# Altium PCB MB1166.PcbDoc (part 11 of 39) (continued)
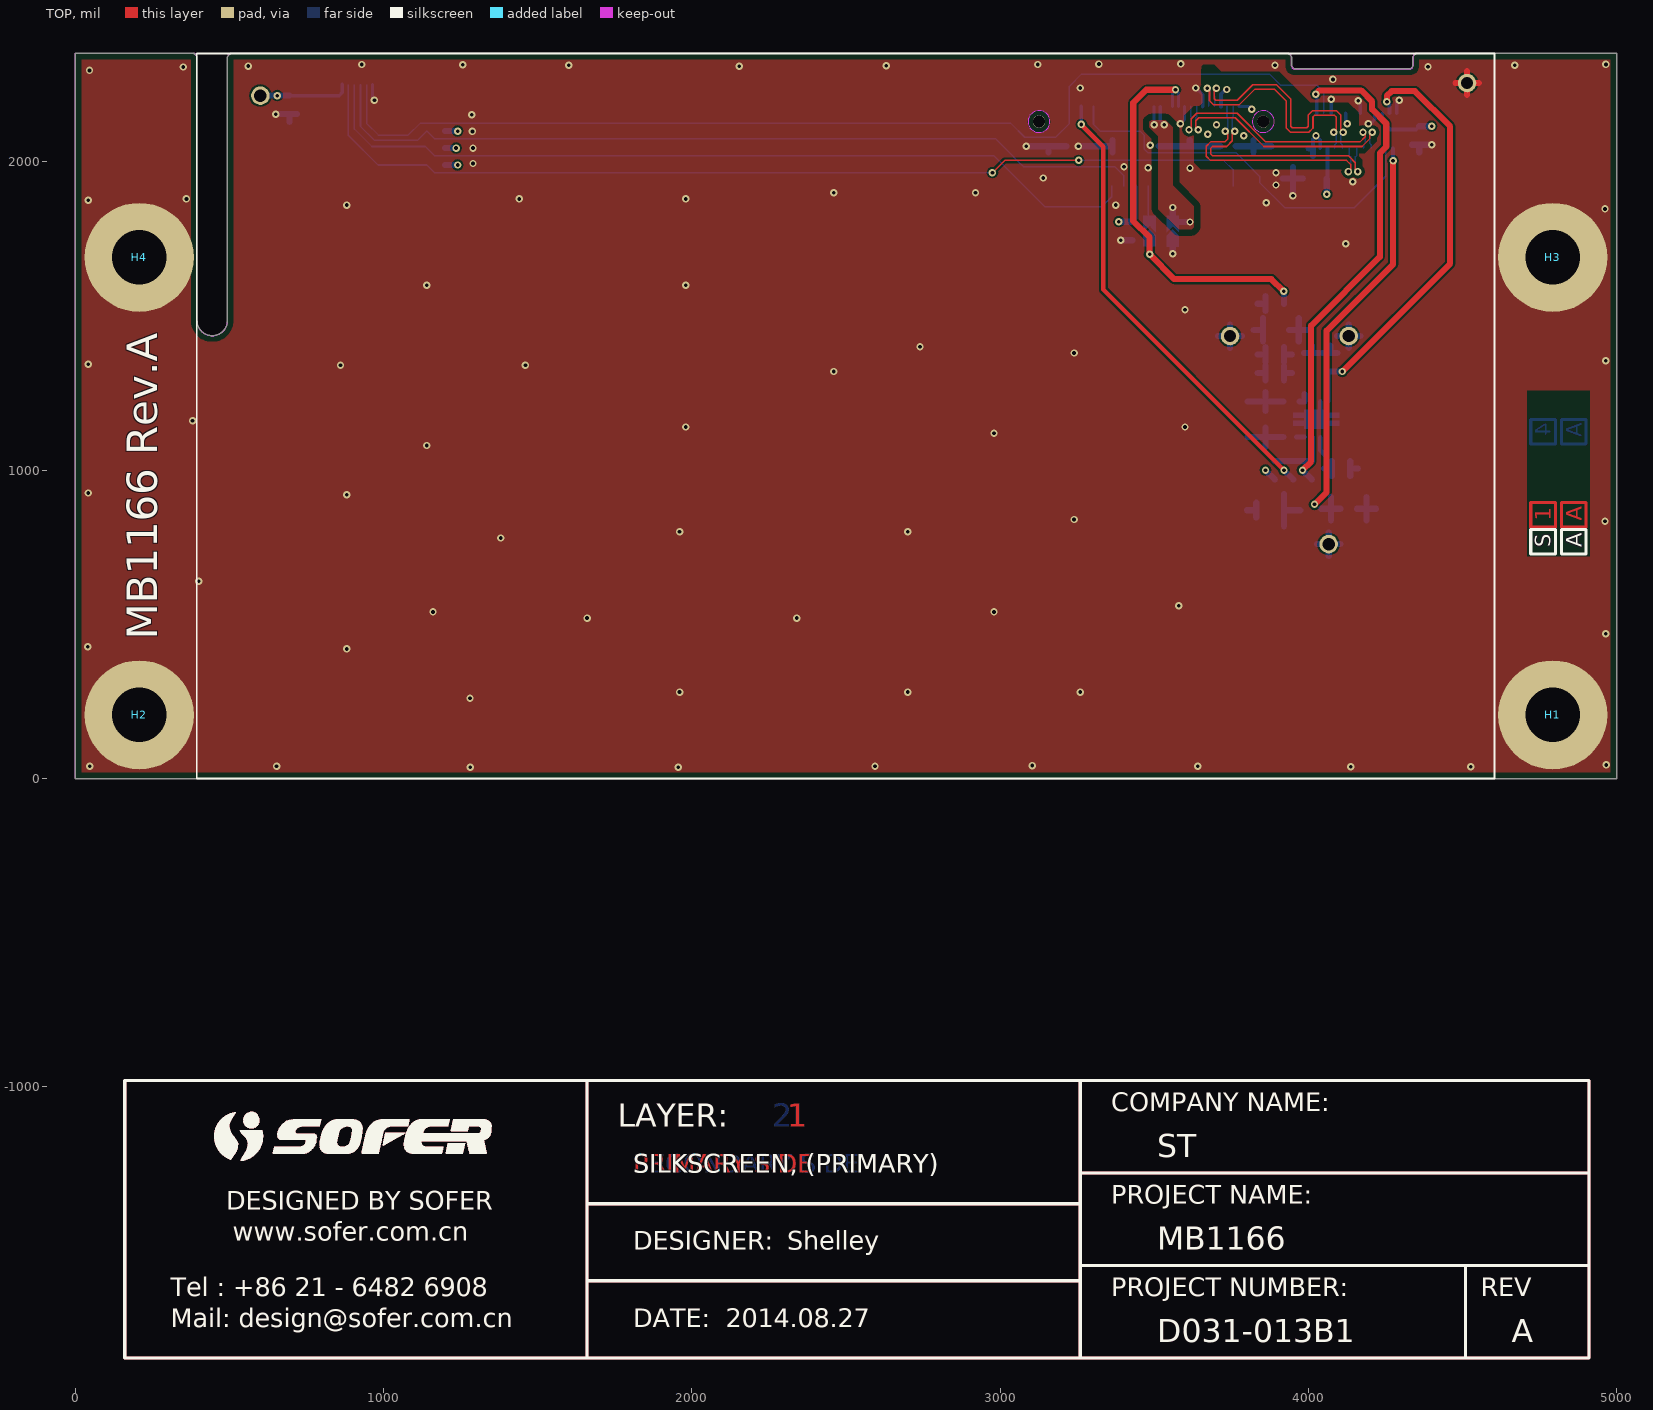
[diagram p0: TOP view]
## Nets (pads, with @x,y where several pads share a name; then routed paths per layer and width w, separated by ;. In a path a pad name is that pad's centre, name@x,y a point inside that pad or via, vN(x,y) a via of type N, cw(c..) or ccw(c..) an arc to the next point about the centre after c; other vN are vias at no path point) (continued)
 1116.35,-1107.01 1116.45,-1106.98 ; 1116.45,-1106.98 1116.65,-1106.94 ; 1116.45,-1106.98 1116.65,-1106.94 ; 1116.65,-1106.94 1116.74,-1106.92 ; 1116.65,-1106.94 1116.74,-1106.92 ; 1116.74,-1106.92 1116.84,-1106.89 ; 1116.74,-1106.92 1116.84,-1106.89 ; 1116.84,-1106.89 1117.04,-1106.85 ; 1116.84,-1106.89 1117.04,-1106.85 ; 1117.04,-1106.85 1117.13,-1106.83 ; 1117.04,-1106.85 1117.13,-1106.83 ; 1117.13,-1106.83 1117.23,-1106.8 ; 1117.13,-1106.83 1117.23,-1106.8 ; 1117.23,-1106.8 1117.43,-1106.76 ; 1117.23,-1106.8 1117.43,-1106.76 ; 1117.43,-1106.76 1117.52,-1106.74 ; 1117.43,-1106.76 1117.52,-1106.74 ; 1117.52,-1106.74 1213.66,-1106.74 ; 1117.52,-1106.74 1213.66,-1106.74 ; 1120.97,-1182.52 1120.97,-1182.42 ; 1120.97,-1182.52 1120.99,-1182.72 ; 1120.97,-1182.52 1120.97,-1182.42 ; 1120.97,-1182.52 1120.99,-1182.72 ; 1120.97,-1182.42 1120.96,-1182.32 ; 1120.97,-1182.42 1120.96,-1182.32 ; 1120.96,-1182.32 1120.96,-1182.22 ; 1120.96,-1182.32 1120.96,-1182.22 ; 1120.96,-1182.22 1120.95,-1182.12 ; 1120.96,-1182.22 1120.95,-1182.12 ; 1120.95,-1182.12 1120.95,-1181.82 ; 1120.95,-1182.12 1120.95,-1181.82 ; 1120.95,-1181.82 1120.94,-1181.72 ; 1120.95,-1181.82 1120.94,-1181.72 ; 1120.94,-1181.72 1120.94,-1181.22 ; 1120.94,-1181.72 1120.94,-1181.22 ; 1120.94,-1181.22 1120.95,-1181.12 ; 1120.94,-1181.22 1120.95,-1181.12 ; 1120.95,-1181.12 1120.95,-1180.82 ; 1120.95,-1181.12 1120.95,-1180.82 ; 1120.95,-1180.82 1120.96,-1180.72 ; 1120.95,-1180.82 1120.96,-1180.72 ; 1120.96,-1180.72 1120.96,-1180.62 ; 1120.96,-1180.72 1120.96,-1180.62 ; 1120.96,-1180.62 1120.97,-1180.52 ; 1120.96,-1180.62 1120.97,-1180.52 ; 1120.97,-1180.52 1120.97,-1180.42 ; 1120.97,-1180.52 1120.97,-1180.42 ; 1120.97,-1180.42 1120.98,-1180.32 ; 1120.97,-1180.42 1120.98,-1180.32 ; 1120.99,-1182.82 1120.99,-1182.72 ; 1120.99,-1182.82 1121.03,-1183.22 ; 1120.99,-1182.82 1120.99,-1182.72 ; 1120.99,-1182.82 1121.03,-1183.22 ; 1120.98,-1180.32 1120.98,-1180.22 ; 1120.98,-1180.32 1120.98,-1180.22 ; 1120.98,-1180.22 1121.09,-1179.12 ; 1120.98,-1180.22 1121.09,-1179.12 ; 1121.04,-1183.31 1121.03,-1183.22 ; 1121.04,-1183.31 1121.08,-1183.71 ; 1121.04,-1183.31 1121.03,-1183.22 ; 1121.04,-1183.31 1121.08,-1183.71 ; 1121.12,-1184.01 1121.1,-1183.81 ; 1121.12,-1184.01 1121.14,-1184.11 ; 1121.12,-1184.01 1121.1,-1183.81 ; 1121.12,-1184.01 1121.14,-1184.11 ; 1121.1,-1183.81 1121.08,-1183.71 ; 1121.1,-1183.81 1121.08,-1183.71 ; 1121.1,-1179.08 1085.97,-1214.21 1121.1,-1179.08 ; 1121.09,-1179.12 1121.1,-1179.03 ; 1121.09,-1179.12 1121.1,-1179.03 ; 1121.1,-1179.03 1121.12,-1178.93 ; 1121.1,-1179.03 1121.12,-1178.93 ; 1121.12,-1178.93 1121.14,-1178.73 ; 1121.12,-1178.93 1121.14,-1178.73 ; 1121.17,-1184.31 1121.15,-1184.21 ; 1121.17,-1184.31 1121.19,-1184.4 ; 1121.17,-1184.31 1121.15,-1184.21 ; 1121.17,-1184.31 1121.19,-1184.4 ; 1121.15,-1184.21 1121.14,-1184.11 ; 1121.15,-1184.21 1121.14,-1184.11 ; 1121.14,-1178.73 1121.16,-1178.63 ; 1121.14,-1178.73 1121.16,-1178.63 ; 1121.16,-1178.63 1121.17,-1178.53 ; 1121.16,-1178.63 1121.17,-1178.53 ; 1121.17,-1178.53 1121.19,-1178.43 ; 1121.17,-1178.53 1121.19,-1178.43 ; 1121.2,-1184.5 1121.19,-1184.4 ; 1121.2,-1184.5 1121.28,-1184.9 ; 1121.2,-1184.5 1121.19,-1184.4 ; 1121.2,-1184.5 1121.28,-1184.9 ; 1121.19,-1178.43 1121.2,-1178.33 ; 1121.19,-1178.43 1121.2,-1178.33 ; 1121.2,-1178.33 1121.22,-1178.23 ; 1121.2,-1178.33 1121.22,-1178.23 ; 1121.22,-1178.23 1121.23,-1178.13 ; 1121.22,-1178.23 1121.23,-1178.13 ; 1121.23,-1178.13 1121.25,-1178.04 ; 1121.23,-1178.13 1121.25,-1178.04 ; 1121.25,-1178.04 1121.26,-1177.94 ; 1121.25,-1178.04 1121.26,-1177.94 ; 1121.26,-1177.94 1121.3,-1177.74 ; 1121.26,-1177.94 1121.3,-1177.74 ; 1121.3,-1184.99 1121.28,-1184.9 ; 1121.3,-1184.99 1121.36,-1185.29 ; 1121.3,-1184.99 1121.28,-1184.9 ; 1121.3,-1184.99 1121.36,-1185.29 ; 1121.3,-1177.74 1121.31,-1177.64 ; 1121.3,-1177.74 1121.31,-1177.64 ; 1121.31,-1177.64 1121.35,-1177.44 ; 1121.31,-1177.64 1121.35,-1177.44 ; 1121.36,-1185.29 1121.39,-1185.38 ; 1121.36,-1185.29 1121.39,-1185.38 ; 1121.35,-1177.44 1121.36,-1177.35 ; 1121.35,-1177.44 1121.36,-1177.35 ; 1121.36,-1177.35 1121.42,-1177.05 ; 1121.36,-1177.35 1121.42,-1177.05 ; 1121.39,-1185.38 1121.43,-1185.58 ; 1121.39,-1185.38 1121.43,-1185.58 ; 1121.42,-1177.05 1121.43,-1176.95 ; 1121.42,-1177.05 1121.43,-1176.95 ; 1121.46,-1185.68 1121.43,-1185.58 ; 1121.46,-1185.68 1121.48,-1185.77 ; 1121.46,-1185.68 1121.43,-1185.58 ; 1121.46,-1185.68 1121.48,-1185.77 ; 1121.43,-1176.95 1121.47,-1176.75 ; 1121.43,-1176.95 1121.47,-1176.75 ; 1121.47,-1176.75 1121.49,-1176.66 ; 1121.47,-1176.75 1121.49,-1176.66 ; 1121.48,-1185.77 1121.54,-1185.97 ; 1121.48,-1185.77 1121.54,-1185.97 ; 1121.49,-1176.66 1121.51,-1176.56 ; 1121.49,-1176.66 1121.51,-1176.56 ; 1121.51,-1176.56 1121.52,-1176.46 ; 1121.51,-1176.56 1121.52,-1176.46 ; 1121.52,-1176.46 1121.58,-1176.16 ; 1121.52,-1176.46 1121.58,-1176.16 ; 1121.56,-1186.06 1121.54,-1185.97 ; 1121.56,-1186.06 1121.59,-1186.16 ; 1121.56,-1186.06 1121.54,-1185.97 ; 1121.56,-1186.06 1121.59,-1186.16 ; 1121.62,-1186.25 1121.59,-1186.16 ; 1121.62,-1186.25 1121.65,-1186.35 ; 1121.62,-1186.25 1121.59,-1186.16 ; 1121.62,-1186.25 1121.65,-1186.35 ; 1121.58,-1176.16 1121.6,-1176.07 ; 1121.58,-1176.16 1121.6,-1176.07 ; 1121.6,-1176.07 1121.62,-1175.97 ; 1121.6,-1176.07 1121.62,-1175.97 ; 1121.62,-1175.97 1270.69,-1175.97 ; 1121.62,-1175.97 1270.69,-1175.97 ; 1121.65,-1186.35 1121.68,-1186.44 ; 1121.65,-1186.35 1121.68,-1186.44 ; 1121.71,-1186.54 1121.68,-1186.44 ; 1121.71,-1186.54 1121.75,-1186.63 ; 1121.71,-1186.54 1121.68,-1186.44 ; 1121.71,-1186.54 1121.75,-1186.63 ; 1121.75,-1186.63 1121.78,-1186.73 ; 1121.75,-1186.63 1121.78,-1186.73 ; 1121.81,-1186.82 1121.78,-1186.73 ; 1121.81,-1186.82 1121.85,-1186.91 ; 1121.81,-1186.82 1121.78,-1186.73 ; 1121.81,-1186.82 1121.85,-1186.91 ; 1121.85,-1186.91 1121.89,-1187.01 ; 1121.85,-1186.91 1121.89,-1187.01 ; 1121.92,-1187.1 1121.89,-1187.01 ; 1121.92,-1187.1 1121.96,-1187.19 ; 1121.92,-1187.1 1121.89,-1187.01 ; 1121.92,-1187.1 1121.96,-1187.19 ; 1121.96,-1187.19 1093.2,-1215.95 1121.96,-1187.19 ; 1121.96,-1187.19 1122,-1187.29 ; 1121.96,-1187.19 1122,-1187.29 ; 1122,-1187.29 1122.12,-1187.56 ; 1122,-1187.29 1122.12,-1187.56 ; 1122.12,-1187.56 1122.17,-1187.65 ; 1122.12,-1187.56 1122.17,-1187.65 ; 1122.17,-1187.65 1122.25,-1187.83 ; 1122.17,-1187.65 1122.25,-1187.83 ; 1122.25,-1187.83 1122.35,-1188.01 ; 1122.25,-1187.83 1122.35,-1188.01 ; 1122.35,-1188.01 1122.39,-1188.09 ; 1122.35,-1188.01 1122.39,-1188.09 ; 1122.39,-1188.09 1122.54,-1188.36 ; 1122.39,-1188.09 1122.54,-1188.36 ; 1122.54,-1188.36 1122.59,-1188.44 ; 1122.54,-1188.36 1122.59,-1188.44 ; 1122.59,-1188.44 1122.64,-1188.53 ; 1122.59,-1188.44 1122.64,-1188.53 ; 1122.64,-1188.53 1122.7,-1188.61 ; 1122.64,-1188.53 1122.7,-1188.61 ; 1122.7,-1188.61 1122.75,-1188.7 ; 1122.7,-1188.61 1122.75,-1188.7 ; 1122.75,-1188.7 1122.8,-1188.78 ; 1122.75,-1188.7 1122.8,-1188.78 ; 1122.8,-1188.78 1122.86,-1188.87 ; 1122.8,-1188.78 1122.86,-1188.87 ; 1122.86,-1188.87 1122.91,-1188.95 ; 1122.86,-1188.87 1122.91,-1188.95 ; 1122.91,-1188.95 1122.97,-1189.03 ; 1122.91,-1188.95 1122.97,-1189.03 ; 1122.97,-1189.03 1123.02,-1189.12 ; 1122.97,-1189.03 1123.02,-1189.12 ; 1123.02,-1189.12 1123.14,-1189.28 ; 1123.02,-1189.12 1123.14,-1189.28 ; 1123.14,-1189.28 1123.19,-1189.36 ; 1123.14,-1189.28 1123.19,-1189.36 ; 1123.19,-1189.36 1123.31,-1189.52 ; 1123.19,-1189.36 1123.31,-1189.52 ; 1123.31,-1189.52 1123.37,-1189.61 ; 1123.31,-1189.52 1123.37,-1189.61 ; 1123.37,-1189.61 1123.61,-1189.93 ; 1123.37,-1189.61 1123.61,-1189.93 ; 1123.61,-1189.93 1123.67,-1190 ; 1123.61,-1189.93 1123.67,-1190 ; 1123.66,-1189.99 1097.3,-1216.34 1123.66,-1189.99 ; 1123.67,-1190 1123.85,-1190.24 ; 1123.67,-1190 1123.85,-1190.24 ; 1123.85,-1190.24 1123.92,-1190.32 ; 1123.85,-1190.24 1123.92,-1190.32 ; 1123.92,-1190.32 1124.1,-1190.56 ; 1123.92,-1190.32 1124.1,-1190.56 ; 1124.1,-1190.56 1124.17,-1190.63 ; 1124.1,-1190.56 1124.17,-1190.63 ; 1124.17,-1190.63 1124.29,-1190.79 ; 1124.17,-1190.63 1124.29,-1190.79 ; 1124.29,-1190.79 1124.36,-1190.86 ; 1124.29,-1190.79 1124.36,-1190.86 ; 1124.36,-1190.86 1124.42,-1190.94 ; 1124.36,-1190.86 1124.42,-1190.94 ; 1124.42,-1190.94 1124.49,-1191.01 ; 1124.42,-1190.94 1124.49,-1191.01 ; 1124.49,-1191.01 1124.55,-1191.09 ; 1124.49,-1191.01 1124.55,-1191.09 ; 1124.55,-1191.09 1124.62,-1191.16 ; 1124.55,-1191.09 1124.62,-1191.16 ; 1124.62,-1191.16 1124.69,-1191.24 ; 1124.62,-1191.16 1124.69,-1191.24 ; 1124.69,-1191.24 1125.11,-1191.66 ; 1124.69,-1191.24 1125.11,-1191.66 ; 1125.11,-1191.66 1125.19,-1191.73 ; 1125.11,-1191.66 1125.19,-1191.73 ; 1125.19,-1191.73 1125.26,-1191.8 ; 1125.19,-1191.73 1125.26,-1191.8 ; 1125.26,-1191.8 1125.34,-1191.86 ; 1125.26,-1191.8 1125.34,-1191.86 ; 1125.34,-1191.86 1125.41,-1191.92 ; 1125.34,-1191.86 1125.41,-1191.92 ; 1125.41,-1191.92 1125.49,-1191.99 ; 1125.41,-1191.92 1125.49,-1191.99 ; 1125.49,-1191.99 1125.65,-1192.11 ; 1125.49,-1191.99 1125.65,-1192.11 ; 1125.65,-1192.11 1125.73,-1192.16 ; 1125.65,-1192.11 1125.73,-1192.16 ; 1125.73,-1192.16 1125.82,-1192.22 ; 1125.73,-1192.16 1125.82,-1192.22 ; 1125.82,-1192.22 1125.9,-1192.28 ; 1125.82,-1192.22 1125.9,-1192.28 ; 1125.9,-1192.28 1125.98,-1192.33 ; 1125.9,-1192.28 1125.98,-1192.33 ; 1125.98,-1192.33 1126.16,-1192.43 ; 1125.98,-1192.33 1126.16,-1192.43 ; 1126.16,-1192.43 1126.24,-1192.48 ; 1126.16,-1192.43 1126.24,-1192.48 ; 1126.24,-1192.48 1126.42,-1192.58 ; 1126.24,-1192.48 1126.42,-1192.58 ; 1126.42,-1192.58 1126.51,-1192.62 ; 1126.42,-1192.58 1126.51,-1192.62 ; 1126.51,-1192.62 1126.6,-1192.67 ; 1126.51,-1192.62 1126.6,-1192.67 ; 1126.6,-1192.67 1126.69,-1192.71 ; 1126.6,-1192.67 1126.69,-1192.71 ; 1126.59,-1152.03 1126.61,-1151.97 ; 1126.59,-1152.03 1310.76,-1152.03 ; 1126.59,-1152.03 1126.61,-1151.97 ; 1126.59,-1152.03 1310.76,-1152.03 ; 1126.61,-1151.97 1126.63,-1151.87 ; 1126.61,-1151.97 1126.63,-1151.87 ; 1126.63,-1151.87 1126.66,-1151.77 ; 1126.63,-1151.87 1126.66,-1151.77 ; 1126.66,-1151.77 1126.69,-1151.68 ; 1126.66,-1151.77 1126.69,-1151.68 ; 1126.69,-1192.71 1126.78,-1192.76 ; 1126.69,-1192.71 1126.78,-1192.76 ; 1126.69,-1151.68 1126.71,-1151.58 ; 1126.69,-1151.68 1126.71,-1151.58 ; 1126.71,-1151.58 1126.74,-1151.48 ; 1126.71,-1151.58 1126.74,-1151.48 ; 1126.74,-1151.48 1126.76,-1151.39 ; 1126.74,-1151.48 1126.76,-1151.39 ; 1126.76,-1151.39 1126.79,-1151.29 ; 1126.76,-1151.39 1126.79,-1151.29 ; 1126.78,-1192.76 1127.32,-1193 ; 1126.78,-1192.76 1127.32,-1193 ; 1126.79,-1151.29 1126.81,-1151.19 ; 1126.79,-1151.29 1126.81,-1151.19 ; 1126.81,-1151.19 1126.84,-1151.1 ; 1126.81,-1151.19 1126.84,-1151.1 ; 1126.84,-1151.1 1126.86,-1151 ; 1126.84,-1151.1 1126.86,-1151 ; 1126.86,-1151 1126.89,-1150.9 ; 1126.86,-1151 1126.89,-1150.9 ; 1126.89,-1150.9 1126.92,-1150.81 ; 1126.89,-1150.9 1126.92,-1150.81 ; 1126.91,-1150.81 1072.39,-1205.34 1126.91,-1150.81 ; 1126.92,-1150.81 1126.94,-1150.71 ; 1126.92,-1150.81 1126.94,-1150.71 ; 1126.94,-1150.71 1126.97,-1150.61 ; 1126.94,-1150.71 1126.97,-1150.61 ; 1126.97,-1150.61 1126.99,-1150.52 ; 1126.97,-1150.61 1126.99,-1150.52 ; 1126.99,-1150.52 1127.02,-1150.42 ; 1126.99,-1150.52 1127.02,-1150.42 ; 1127.02,-1150.42 1127.04,-1150.32 ; 1127.02,-1150.42 1127.04,-1150.32 ; 1127.04,-1150.32 1127.07,-1150.23 ; 1127.04,-1150.32 1127.07,-1150.23 ; 1127.07,-1150.23 1127.1,-1150.13 ; 1127.07,-1150.23 1127.1,-1150.13 ; 1127.1,-1150.13 1127.12,-1150.03 ; 1127.1,-1150.13 1127.12,-1150.03 ; 1127.12,-1150.03 1127.15,-1149.94 ; 1127.12,-1150.03 1127.15,-1149.94 ; 1127.15,-1149.94 1127.17,-1149.84 ; 1127.15,-1149.94 1127.17,-1149.84 ; 1127.17,-1149.84 1127.2,-1149.74 ; 1127.17,-1149.84 1127.2,-1149.74 ; 1127.2,-1149.74 1127.23,-1149.65 ; 1127.2,-1149.74 1127.23,-1149.65 ; 1127.23,-1149.65 1127.25,-1149.55 ; 1127.23,-1149.65 1127.25,-1149.55 ; 1127.25,-1149.55 1127.28,-1149.45 ; 1127.25,-1149.55 1127.28,-1149.45 ; 1127.32,-1193 1127.42,-1193.04 ; 1127.32,-1193 1127.42,-1193.04 ; 1127.28,-1149.45 1127.31,-1149.36 ; 1127.28,-1149.45 1127.31,-1149.36 ; 1127.31,-1149.36 1127.33,-1149.26 ; 1127.31,-1149.36 1127.33,-1149.26 ; 1127.33,-1149.26 1127.36,-1149.16 ; 1127.33,-1149.26 1127.36,-1149.16 ; 1127.36,-1149.16 1127.38,-1149.07 ; 1127.36,-1149.16 1127.38,-1149.07 ; 1127.42,-1193.04 1127.69,-1193.16 ; 1127.42,-1193.04 1127.69,-1193.16 ; 1127.38,-1149.07 1127.41,-1148.97 ; 1127.38,-1149.07 1127.41,-1148.97 ; 1127.41,-1148.97 1127.44,-1148.88 ; 1127.41,-1148.97 1127.44,-1148.88 ; 1127.44,-1148.88 1127.46,-1148.78 ; 1127.44,-1148.88 1127.46,-1148.78 ; 1127.46,-1148.78 1127.49,-1148.68 ; 1127.46,-1148.78 1127.49,-1148.68 ; 1127.49,-1148.68 1127.52,-1148.59 ; 1127.49,-1148.68 1127.52,-1148.59 ; 1127.52,-1148.59 1127.54,-1148.49 ; 1127.52,-1148.59 1127.54,-1148.49 ; 1127.54,-1148.49 1127.57,-1148.39 ; 1127.54,-1148.49 1127.57,-1148.39 ; 1127.57,-1148.39 1127.6,-1148.3 ; 1127.57,-1148.39 1127.6,-1148.3 ; 1127.6,-1148.3 1127.62,-1148.2 ; 1127.6,-1148.3 1127.62,-1148.2 ; 1127.62,-1148.2 1127.65,-1148.1 ; 1127.62,-1148.2 1127.65,-1148.1 ; 1127.65,-1148.1 1127.68,-1148.01 ; 1127.65,-1148.1 1127.68,-1148.01 ; 1127.69,-1193.16 1127.79,-1193.19 ; 1127.69,-1193.16 1127.79,-1193.19 ; 1127.68,-1148.01 1127.7,-1147.91 ; 1127.68,-1148.01 1127.7,-1147.91 ; 1127.7,-1147.91 1127.73,-1147.82 ; 1127.7,-1147.91 1127.73,-1147.82 ; 1127.73,-1147.82 1127.76,-1147.72 ; 1127.73,-1147.82 1127.76,-1147.72 ; 1127.76,-1147.72 1071.44,-1204.04 1127.76,-1147.72 ; 1127.76,-1147.72 1127.78,-1147.62 ; 1127.76,-1147.72 1127.78,-1147.62 ; 1127.79,-1193.19 1127.97,-1193.27 ; 1127.79,-1193.19 1127.97,-1193.27 ; 1127.78,-1147.62 1127.81,-1147.53 ; 1127.78,-1147.62 1127.81,-1147.53 ; 1127.81,-1147.53 1127.84,-1147.43 ; 1127.81,-1147.53 1127.84,-1147.43 ; 1127.84,-1147.43 1127.86,-1147.33 ; 1127.84,-1147.43 1127.86,-1147.33 ; 1127.86,-1147.33 1127.89,-1147.24 ; 1127.86,-1147.33 1127.89,-1147.24 ; 1127.89,-1147.24 1127.95,-1147.04 ; 1127.89,-1147.24 1127.95,-1147.04 ; 1127.97,-1193.27 1128.06,-1193.3 ; 1127.97,-1193.27 1128.06,-1193.3 ; 1127.95,-1147.04 1127.97,-1146.95 ; 1127.95,-1147.04 1127.97,-1146.95 ; 1127.97,-1146.95 1128,-1146.85 ; 1127.97,-1146.95 1128,-1146.85 ; 1128,-1146.85 1128.03,-1146.76 ; 1128,-1146.85 1128.03,-1146.76 ; 1128.06,-1193.3 1128.16,-1193.34 ; 1128.06,-1193.3 1128.16,-1193.34 ; 1128.03,-1146.76 1128.05,-1146.66 ; 1128.03,-1146.76 1128.05,-1146.66 ; 1128.05,-1146.66 1128.08,-1146.56 ; 1128.05,-1146.66 1128.08,-1146.56 ; 1128.08,-1146.56 1128.11,-1146.47 ; 1128.08,-1146.56 1128.11,-1146.47 ; 1128.11,-1146.47 1128.14,-1146.37 ; 1128.11,-1146.47 1128.14,-1146.37 ; 1128.16,-1193.34 1128.25,-1193.38 ; 1128.16,-1193.34 1128.25,-1193.38 ; 1128.14,-1146.37 1128.16,-1146.28 ; 1128.14,-1146.37 1128.16,-1146.28 ; 1128.16,-1146.28 1128.22,-1146.08 ; 1128.16,-1146.28 1128.22,-1146.08 ; 1128.22,-1146.08 1128.25,-1145.99 ; 1128.22,-1146.08 1128.25,-1145.99 ; 1128.25,-1193.38 1128.34,-1193.41 ; 1128.25,-1193.38 1128.34,-1193.41 ; 1128.25,-1145.99 1128.28,-1145.89 ; 1128.25,-1145.99 1128.28,-1145.89 ; 1128.28,-1145.89 1128.31,-1145.8 ; 1128.28,-1145.89 1128.31,-1145.8 ; 1128.31,-1145.8 1128.37,-1145.6 ; 1128.31,-1145.8 1128.37,-1145.6 ; 1128.34,-1193.41 1128.44,-1193.45 ; 1128.34,-1193.41 1128.44,-1193.45 ; 1128.37,-1145.6 1128.39,-1145.51 ; 1128.37,-1145.6 1128.39,-1145.51 ; 1128.39,-1145.51 1128.42,-1145.41 ; 1128.39,-1145.51 1128.42,-1145.41 ; 1128.42,-1145.41 1128.45,-1145.32 ; 1128.42,-1145.41 1128.45,-1145.32 ; 1128.44,-1193.45 1128.53,-1193.49 ; 1128.44,-1193.45 1128.53,-1193.49 ; 1128.45,-1145.32 1128.49,-1145.22 ; 1128.45,-1145.32 1128.49,-1145.22 ; 1128.49,-1145.22 1128.52,-1145.13 ; 1128.49,-1145.22 1128.52,-1145.13 ; 1128.52,-1145.13 1128.55,-1145.03 ; 1128.52,-1145.13 1128.55,-1145.03 ; 1128.53,-1193.49 1128.62,-1193.52 ; 1128.53,-1193.49 1128.62,-1193.52 ; 1128.55,-1145.03 1128.58,-1144.94 ; 1128.55,-1145.03 1128.58,-1144.94 ; 1128.62,-1193.52 1128.72,-1193.56 ; 1128.62,-1193.52 1128.72,-1193.56 ; 1128.58,-1144.94 1128.61,-1144.84 ; 1128.58,-1144.94 1128.61,-1144.84 ; 1128.61,-1144.84 1128.64,-1144.75 ; 1128.61,-1144.84 1128.64,-1144.75 ; 1128.64,-1144.75 1128.67,-1144.65 ; 1128.64,-1144.75 1128.67,-1144.65 ; 1128.67,-1144.65 1128.71,-1144.56 ; 1128.67,-1144.65 1128.71,-1144.56 ; 1128.72,-1193.56 1128.81,-1193.59 ; 1128.72,-1193.56 1128.81,-1193.59 ; 1128.71,-1144.56 1128.74,-1144.46 ; 1128.71,-1144.56 1128.74,-1144.46 ; 1128.74,-1144.46 1128.77,-1144.37 ; 1128.74,-1144.46 1128.77,-1144.37 ; 1128.77,-1144.37 1128.81,-1144.28 ; 1128.77,-1144.37 1128.81,-1144.28 ; 1128.81,-1193.59 1128.91,-1193.63 ; 1128.81,-1193.59 1128.91,-1193.63 ; 1128.81,-1144.28 1128.84,-1144.18 ; 1128.81,-1144.28 1128.84,-1144.18 ; 1128.84,-1144.18 1128.88,-1144.09 ; 1128.84,-1144.18 1128.88,-1144.09 ; 1128.91,-1193.63 1129.09,-1193.69 ; 1128.91,-1193.63 1129.09,-1193.69 ; 1128.88,-1144.09 1128.91,-1144 ; 1128.88,-1144.09 1128.91,-1144 ; 1128.91,-1144 1128.95,-1143.9 ; 1128.91,-1144 1128.95,-1143.9 ; 1128.95,-1143.9 1128.98,-1143.81 ; 1128.95,-1143.9 1128.98,-1143.81 ; 1128.98,-1143.81 1129.02,-1143.72 ; 1128.98,-1143.81 1129.02,-1143.72 ; 1129.02,-1143.72 1129.06,-1143.62 ; 1129.02,-1143.72 1129.06,-1143.62 ; 1129.06,-1143.62 1129.1,-1143.53 ; 1129.06,-1143.62 1129.1,-1143.53 ; 1129.09,-1193.69 1129.19,-1193.73 ; 1129.09,-1193.69 1129.19,-1193.73 ; 1129.1,-1143.53 1129.13,-1143.44 ; 1129.1,-1143.53 1129.13,-1143.44 ; 1129.13,-1143.44 1129.17,-1143.35 ; 1129.13,-1143.44 1129.17,-1143.35 ; 1129.17,-1143.35 1129.21,-1143.25 ; 1129.17,-1143.35 1129.21,-1143.25 ; 1129.19,-1193.73 1129.28,-1193.76 ; 1129.19,-1193.73 1129.28,-1193.76 ; 1129.21,-1143.25 1129.41,-1142.8 ; 1129.21,-1143.25 1129.41,-1142.8 ; 1129.28,-1193.76 1129.38,-1193.79 ; 1129.28,-1193.76 1129.38,-1193.79 ; 1129.38,-1193.79 1129.47,-1193.83 ; 1129.38,-1193.79 1129.47,-1193.83 ; 1129.41,-1142.8 1129.46,-1142.71 ; 1129.41,-1142.8 1129.46,-1142.71 ; 1129.47,-1193.83 1129.56,-1193.86 ; 1129.47,-1193.83 1129.56,-1193.86 ; 1129.46,-1142.71 1129.5,-1142.61 ; 1129.46,-1142.71 1129.5,-1142.61 ; 1129.5,-1142.61 1129.58,-1142.43 ; 1129.5,-1142.61 1129.58,-1142.43 ; 1129.56,-1193.86 1129.66,-1193.89 ; 1129.56,-1193.86 1129.66,-1193.89 ; 1129.58,-1142.43 1129.63,-1142.34 ; 1129.58,-1142.43 1129.63,-1142.34 ; 1129.66,-1193.89 1129.75,-1193.92 ; 1129.66,-1193.89 1129.75,-1193.92 ; 1129.63,-1142.34 1129.67,-1142.25 ; 1129.63,-1142.34 1129.67,-1142.25 ; 1129.67,-1142.25 1129.72,-1142.16 ; 1129.67,-1142.25 1129.72,-1142.16 ; 1129.72,-1142.16 1129.76,-1142.08 ; 1129.72,-1142.16 1129.76,-1142.08 ; 1129.75,-1193.92 1129.85,-1193.96 ; 1129.75,-1193.92 1129.85,-1193.96 ; 1129.76,-1142.08 1129.81,-1141.99 ; 1129.76,-1142.08 1129.81,-1141.99 ; 1129.81,-1141.99 1129.85,-1141.9 ; 1129.81,-1141.99 1129.85,-1141.9 ; 1129.85,-1193.96 1129.94,-1193.99 ; 1129.85,-1193.96 1129.94,-1193.99 ; 1129.85,-1141.9 1129.9,-1141.81 ; 1129.85,-1141.9 1129.9,-1141.81 ; 1129.9,-1141.81 1129.94,-1141.72 ; 1129.9,-1141.81 1129.94,-1141.72 ; 1129.94,-1193.99 1130.04,-1194.02 ; 1129.94,-1193.99 1130.04,-1194.02 ; 1129.94,-1141.72 1130.04,-1141.54 ; 1129.94,-1141.72 1130.04,-1141.54 ; 1130.04,-1194.02 1130.13,-1194.05 ; 1130.04,-1194.02 1130.13,-1194.05 ; 1130.04,-1141.54 1130.08,-1141.45 ; 1130.04,-1141.54 1130.08,-1141.45 ; 1130.08,-1141.45 1130.13,-1141.37 ; 1130.08,-1141.45 1130.13,-1141.37 ; 1130.13,-1194.05 1130.33,-1194.11 ; 1130.13,-1194.05 1130.33,-1194.11 ; 1130.13,-1141.37 1130.28,-1141.1 ; 1130.13,-1141.37 1130.28,-1141.1 ; 1130.28,-1141.1 1130.33,-1141.02 ; 1130.28,-1141.1 1130.33,-1141.02 ; 1130.33,-1194.11 1130.42,-1194.14 ; 1130.33,-1194.11 1130.42,-1194.14 ; 1130.33,-1141.02 1130.43,-1140.84 ; 1130.33,-1141.02 1130.43,-1140.84 ; 1130.42,-1194.14 1130.52,-1194.17 ; 1130.42,-1194.14 1130.52,-1194.17 ; 1130.43,-1140.84 1130.48,-1140.76 ; 1130.43,-1140.84 1130.48,-1140.76 ; 1130.52,-1194.17 1130.61,-1194.2 ; 1130.52,-1194.17 1130.61,-1194.2 ; 1130.48,-1140.76 1130.58,-1140.58 ; 1130.48,-1140.76 1130.58,-1140.58 ; 1130.61,-1194.2 1130.71,-1194.23 ; 1130.61,-1194.2 1130.71,-1194.23 ; 1130.58,-1140.58 1130.63,-1140.5 ; 1130.58,-1140.58 1130.63,-1140.5 ; 1130.63,-1140.5 1130.68,-1140.41 ; 1130.63,-1140.5 1130.68,-1140.41 ; 1130.71,-1194.23 1130.8,-1194.25 ; 1130.71,-1194.23 1130.8,-1194.25 ; 1130.68,-1140.41 1130.73,-1140.33 ; 1130.68,-1140.41 1130.73,-1140.33 ; 1130.73,-1140.33 1130.78,-1140.24 ; 1130.73,-1140.33 1130.78,-1140.24 ; 1130.8,-1194.25 1130.9,-1194.28 ; 1130.8,-1194.25 1130.9,-1194.28 ; 1130.78,-1140.24 1130.84,-1140.16 ; 1130.78,-1140.24 1130.84,-1140.16 ; 1130.84,-1140.15 1069.78,-1201.21 1130.84,-1140.15 ; 1130.84,-1140.16 1130.89,-1140.07 ; 1130.84,-1140.16 1130.89,-1140.07 ; 1130.9,-1194.28 1130.99,-1194.31 ; 1130.9,-1194.28 1130.99,-1194.31 ; 1130.89,-1140.07 1130.94,-1139.99 ; 1130.89,-1140.07 1130.94,-1139.99 ; 1130.94,-1139.99 1130.99,-1139.9 ; 1130.94,-1139.99 1130.99,-1139.9 ; 1130.99,-1194.31 1131.19,-1194.37 ; 1130.99,-1194.31 1131.19,-1194.37 ; 1130.99,-1139.9 1131.05,-1139.82 ; 1130.99,-1139.9 1131.05,-1139.82 ; 1131.05,-1139.82 1131.1,-1139.73 ; 1131.05,-1139.82 1131.1,-1139.73 ; 1131.1,-1139.73 1131.16,-1139.65 ; 1131.1,-1139.73 1131.16,-1139.65 ; 1131.16,-1139.65 1131.21,-1139.56 ; 1131.16,-1139.65 1131.21,-1139.56 ; 1131.19,-1194.37 1131.28,-1194.4 ; 1131.19,-1194.37 1131.28,-1194.4 ; 1131.21,-1139.56 1131.26,-1139.48 ; 1131.21,-1139.56 1131.26,-1139.48 ; 1131.26,-1139.48 1131.32,-1139.4 ; 1131.26,-1139.48 1131.32,-1139.4 ; 1131.28,-1194.4 1131.38,-1194.42 ; 1131.28,-1194.4 1131.38,-1194.42 ; 1131.32,-1139.4 1131.37,-1139.31 ; 1131.32,-1139.4 1131.37,-1139.31 ; 1131.37,-1139.31 1131.49,-1139.15 ; 1131.37,-1139.31 1131.49,-1139.15 ; 1131.38,-1194.42 1131.48,-1194.45 ; 1131.38,-1194.42 1131.48,-1194.45 ; 1131.48,-1194.45 1131.57,-1194.48 ; 1131.48,-1194.45 1131.57,-1194.48 ; 1131.49,-1139.15 1131.54,-1139.06 ; 1131.49,-1139.15 1131.54,-1139.06 ; 1131.57,-1194.48 1131.67,-1194.51 ; 1131.57,-1194.48 1131.67,-1194.51 ; 1131.54,-1139.06 1131.6,-1138.98 ; 1131.54,-1139.06 1131.6,-1138.98 ; 1131.6,-1138.98 1131.65,-1138.9 ; 1131.6,-1138.98 1131.65,-1138.9 ; 1131.67,-1194.51 1131.76,-1194.53 ; 1131.67,-1194.51 1131.76,-1194.53 ; 1131.65,-1138.9 1131.77,-1138.74 ; 1131.65,-1138.9 1131.77,-1138.74 ; 1131.76,-1194.53 1131.96,-1194.59 ; 1131.76,-1194.53 1131.96,-1194.59 ; 1131.77,-1138.74 1131.83,-1138.65 ; 1131.77,-1138.74 1131.83,-1138.65 ; 1131.83,-1138.65 1131.88,-1138.57 ; 1131.83,-1138.65 1131.88,-1138.57 ; 1131.88,-1138.57 1132.24,-1138.09 ; 1131.88,-1138.57 1132.24,-1138.09 ; 1131.96,-1194.59 1132.05,-1194.61 ; 1131.96,-1194.59 1132.05,-1194.61 ; 1132.05,-1194.61 1132.15,-1194.64 ; 1132.05,-1194.61 1132.15,-1194.64 ; 1132.15,-1194.64 1132.24,-1194.67 ; 1132.15,-1194.64 1132.24,-1194.67 ; 1132.24,-1194.67 1132.34,-1194.7 ; 1132.24,-1194.67 1132.34,-1194.7 ; 1132.24,-1138.09 1132.29,-1138.01 ; 1132.24,-1138.09 1132.29,-1138.01 ; 1132.29,-1138.01 1132.41,-1137.85 ; 1132.29,-1138.01 1132.41,-1137.85 ; 1132.34,-1194.7 1132.44,-1194.72 ; 1132.34,-1194.7 1132.44,-1194.72 ; 1132.41,-1137.85 1132.48,-1137.77 ; 1132.41,-1137.85 1132.48,-1137.77 ; 1132.44,-1194.72 1132.53,-1194.75 ; 1132.44,-1194.72 1132.53,-1194.75 ; 1132.48,-1137.77 1132.84,-1137.29 ; 1132.48,-1137.77 1132.84,-1137.29 ; 1132.53,-1194.75 1132.63,-1194.78 ; 1132.53,-1194.75 1132.63,-1194.78 ; 1132.63,-1194.78 1132.73,-1194.8 ; 1132.63,-1194.78 1132.73,-1194.8 ; 1132.73,-1194.8 1132.82,-1194.83 ; 1132.73,-1194.8 1132.82,-1194.83 ; 1132.82,-1194.83 1132.92,-1194.86 ; 1132.82,-1194.83 1132.92,-1194.86 ; 1132.84,-1137.29 1132.91,-1137.21 ; 1132.84,-1137.29 1132.91,-1137.21 ; 1132.92,-1194.86 1133.02,-1194.88 ; 1132.92,-1194.86 1133.02,-1194.88 ; 1132.91,-1137.21 1132.97,-1137.14 ; 1132.91,-1137.21 1132.97,-1137.14 ; 1132.97,-1137.14 1133.09,-1136.98 ; 1132.97,-1137.14 1133.09,-1136.98 ; 1133.02,-1194.88 1133.11,-1194.91 ; 1133.02,-1194.88 1133.11,-1194.91 ; 1133.11,-1194.91 1133.21,-1194.94 ; 1133.11,-1194.91 1133.21,-1194.94 ; 1133.09,-1136.98 1133.16,-1136.9 ; 1133.09,-1136.98 1133.16,-1136.9 ; 1133.16,-1136.9 1133.22,-1136.83 ; 1133.16,-1136.9 1133.22,-1136.83 ; 1133.21,-1194.94 1133.3,-1194.96 ; 1133.21,-1194.94 1133.3,-1194.96 ; 1133.22,-1136.83 1133.28,-1136.75 ; 1133.22,-1136.83 1133.28,-1136.75 ; 1133.3,-1194.96 1133.5,-1195.02 ; 1133.3,-1194.96 1133.5,-1195.02 ; 1133.28,-1136.75 1133.35,-1136.67 ; 1133.28,-1136.75 1133.35,-1136.67 ; 1133.35,-1136.67 1133.41,-1136.6 ; 1133.35,-1136.67 1133.41,-1136.6 ; 1133.41,-1136.6 1133.48,-1136.52 ; 1133.41,-1136.6 1133.48,-1136.52 ; 1133.5,-1195.02 1133.59,-1195.04 ; 1133.5,-1195.02 1133.59,-1195.04 ; 1133.48,-1136.52 1133.54,-1136.44 ; 1133.48,-1136.52 1133.54,-1136.44 ; 1133.54,-1136.44 1133.61,-1136.37 ; 1133.54,-1136.44 1133.61,-1136.37 ; 1133.59,-1195.04 1133.79,-1195.1 ; 1133.59,-1195.04 1133.79,-1195.1 ; 1133.61,-1136.37 1133.67,-1136.29 ; 1133.61,-1136.37 1133.67,-1136.29 ; 1133.67,-1136.29 1133.74,-1136.22 ; 1133.67,-1136.29 1133.74,-1136.22 ; 1133.74,-1136.22 1133.8,-1136.14 ; 1133.74,-1136.22 1133.8,-1136.14 ; 1133.79,-1195.1 1133.88,-1195.12 ; 1133.79,-1195.1 1133.88,-1195.12 ; 1133.8,-1136.14 1133.87,-1136.07 ; 1133.8,-1136.14 1133.87,-1136.07 ; 1133.87,-1136.07 1133.94,-1135.99 ; 1133.87,-1136.07 1133.94,-1135.99 ; 1133.88,-1195.12 1134.08,-1195.18 ; 1133.88,-1195.12 1134.08,-1195.18 ; 1133.94,-1135.99 1134,-1135.92 ; 1133.94,-1135.99 1134,-1135.92 ; 1134,-1135.92 1134.07,-1135.84 ; 1134,-1135.92 1134.07,-1135.84 ; 1134.07,-1135.84 1134.14,-1135.77 ; 1134.07,-1135.84 1134.14,-1135.77 ; 1134.08,-1195.18 1134.17,-1195.2 ; 1134.08,-1195.18 1134.17,-1195.2 ; 1134.16,-1195.2 1113.02,-1216.34 1134.16,-1195.2 ; 1134.17,-1195.2 1134.27,-1195.23 ; 1134.17,-1195.2 1134.27,-1195.23 ; 1134.14,-1135.77 1134.2,-1135.69 ; 1134.14,-1135.77 1134.2,-1135.69 ; 1134.2,-1135.69 1134.34,-1135.55 ; 1134.2,-1135.69 1134.34,-1135.55 ; 1134.27,-1195.23 1134.37,-1195.25 ; 1134.27,-1195.23 1134.37,-1195.25 ; 1134.37,-1195.25 1134.46,-1195.28 ; 1134.37,-1195.25 1134.46,-1195.28 ; 1134.34,-1135.55 1134.41,-1135.47 ; 1134.34,-1135.55 1134.41,-1135.47 ; 1134.41,-1135.47 1134.55,-1135.33 ; 1134.41,-1135.47 1134.55,-1135.33 ; 1134.46,-1195.28 1134.56,-1195.3 ; 1134.46,-1195.28 1134.56,-1195.3 ; 1134.56,-1195.3 1134.66,-1195.33 ; 1134.56,-1195.3 1134.66,-1195.33 ; 1134.55,-1135.33 1134.61,-1135.26 ; 1134.55,-1135.33 1134.61,-1135.26 ; 1134.61,-1135.26 1134.68,-1135.18 ; 1134.61,-1135.26 1134.68,-1135.18 ; 1134.66,-1195.33 1134.75,-1195.36 ; 1134.66,-1195.33 1134.75,-1195.36 ; 1134.68,-1135.18 1135.32,-1134.54 ; 1134.68,-1135.18 1135.32,-1134.54 ; 1134.75,-1195.36 1134.85,-1195.38 ; 1134.75,-1195.36 1134.85,-1195.38 ; 1134.85,-1195.38 1134.95,-1195.41 ; 1134.85,-1195.38 1134.95,-1195.41 ; 1134.95,-1195.41 1135.04,-1195.43 ; 1134.95,-1195.41 1135.04,-1195.43 ; 1135.04,-1195.43 1135.14,-1195.46 ; 1135.04,-1195.43 1135.14,-1195.46 ; 1135.14,-1195.46 1135.24,-1195.48 ; 1135.14,-1195.46 1135.24,-1195.48 ; 1135.24,-1195.48 1135.33,-1195.51 ; 1135.24,-1195.48 1135.33,-1195.51 ; 1135.32,-1134.54 1135.39,-1134.48 ; 1135.32,-1134.54 1135.39,-1134.48 ; 1135.33,-1195.51 1135.43,-1195.53 ; 1135.33,-1195.51 1135.43,-1195.53 ; 1135.39,-1134.48 1135.53,-1134.34 ; 1135.39,-1134.48 1135.53,-1134.34 ; 1135.43,-1195.53 1135.53,-1195.56 ; 1135.43,-1195.53 1135.53,-1195.56 ; 1135.53,-1195.56 1135.62,-1195.58 ; 1135.53,-1195.56 1135.62,-1195.58 ; 1135.53,-1134.34 1135.61,-1134.27 ; 1135.53,-1134.34 1135.61,-1134.27 ; 1135.62,-1195.58 1135.72,-1195.61 ; 1135.62,-1195.58 1135.72,-1195.61 ; 1135.61,-1134.27 1135.75,-1134.13 ; 1135.61,-1134.27 1135.75,-1134.13 ; 1135.72,-1195.61 1135.82,-1195.63 ; 1135.72,-1195.61 1135.82,-1195.63 ; 1135.75,-1134.13 1135.83,-1134.06 ; 1135.75,-1134.13 1135.83,-1134.06 ; 1135.82,-1195.63 1135.91,-1195.66 ; 1135.82,-1195.63 1135.91,-1195.66 ; 1135.83,-1134.06 1135.9,-1134 ; 1135.83,-1134.06 1135.9,-1134 ; 1135.91,-1195.66 1136.11,-1195.7 ; 1135.91,-1195.66 1136.11,-1195.7 ; 1135.9,-1134 1135.97,-1133.93 ; 1135.9,-1134 1135.97,-1133.93 ; 1135.97,-1133.93 1136.05,-1133.86 ; 1135.97,-1133.93 1136.05,-1133.86 ; 1136.05,-1133.86 1136.12,-1133.79 ; 1136.05,-1133.86 1136.12,-1133.79